# Altium PCB Luchador Pcb.PcbDoc (part 1 of 4)
Units mil, origin at the board's own origin, x right, y up, seen from the top; angles counter-clockwise.
Board outline 6102.25 x 2953 mil, 6 copper layers (Top Layer, GND PLANE 1, SL1(H), SL2(V), Power, Bottom Layer), stack 62.468 mil thick; 267 components, 233 nets, 1286 pads, 806 vias.
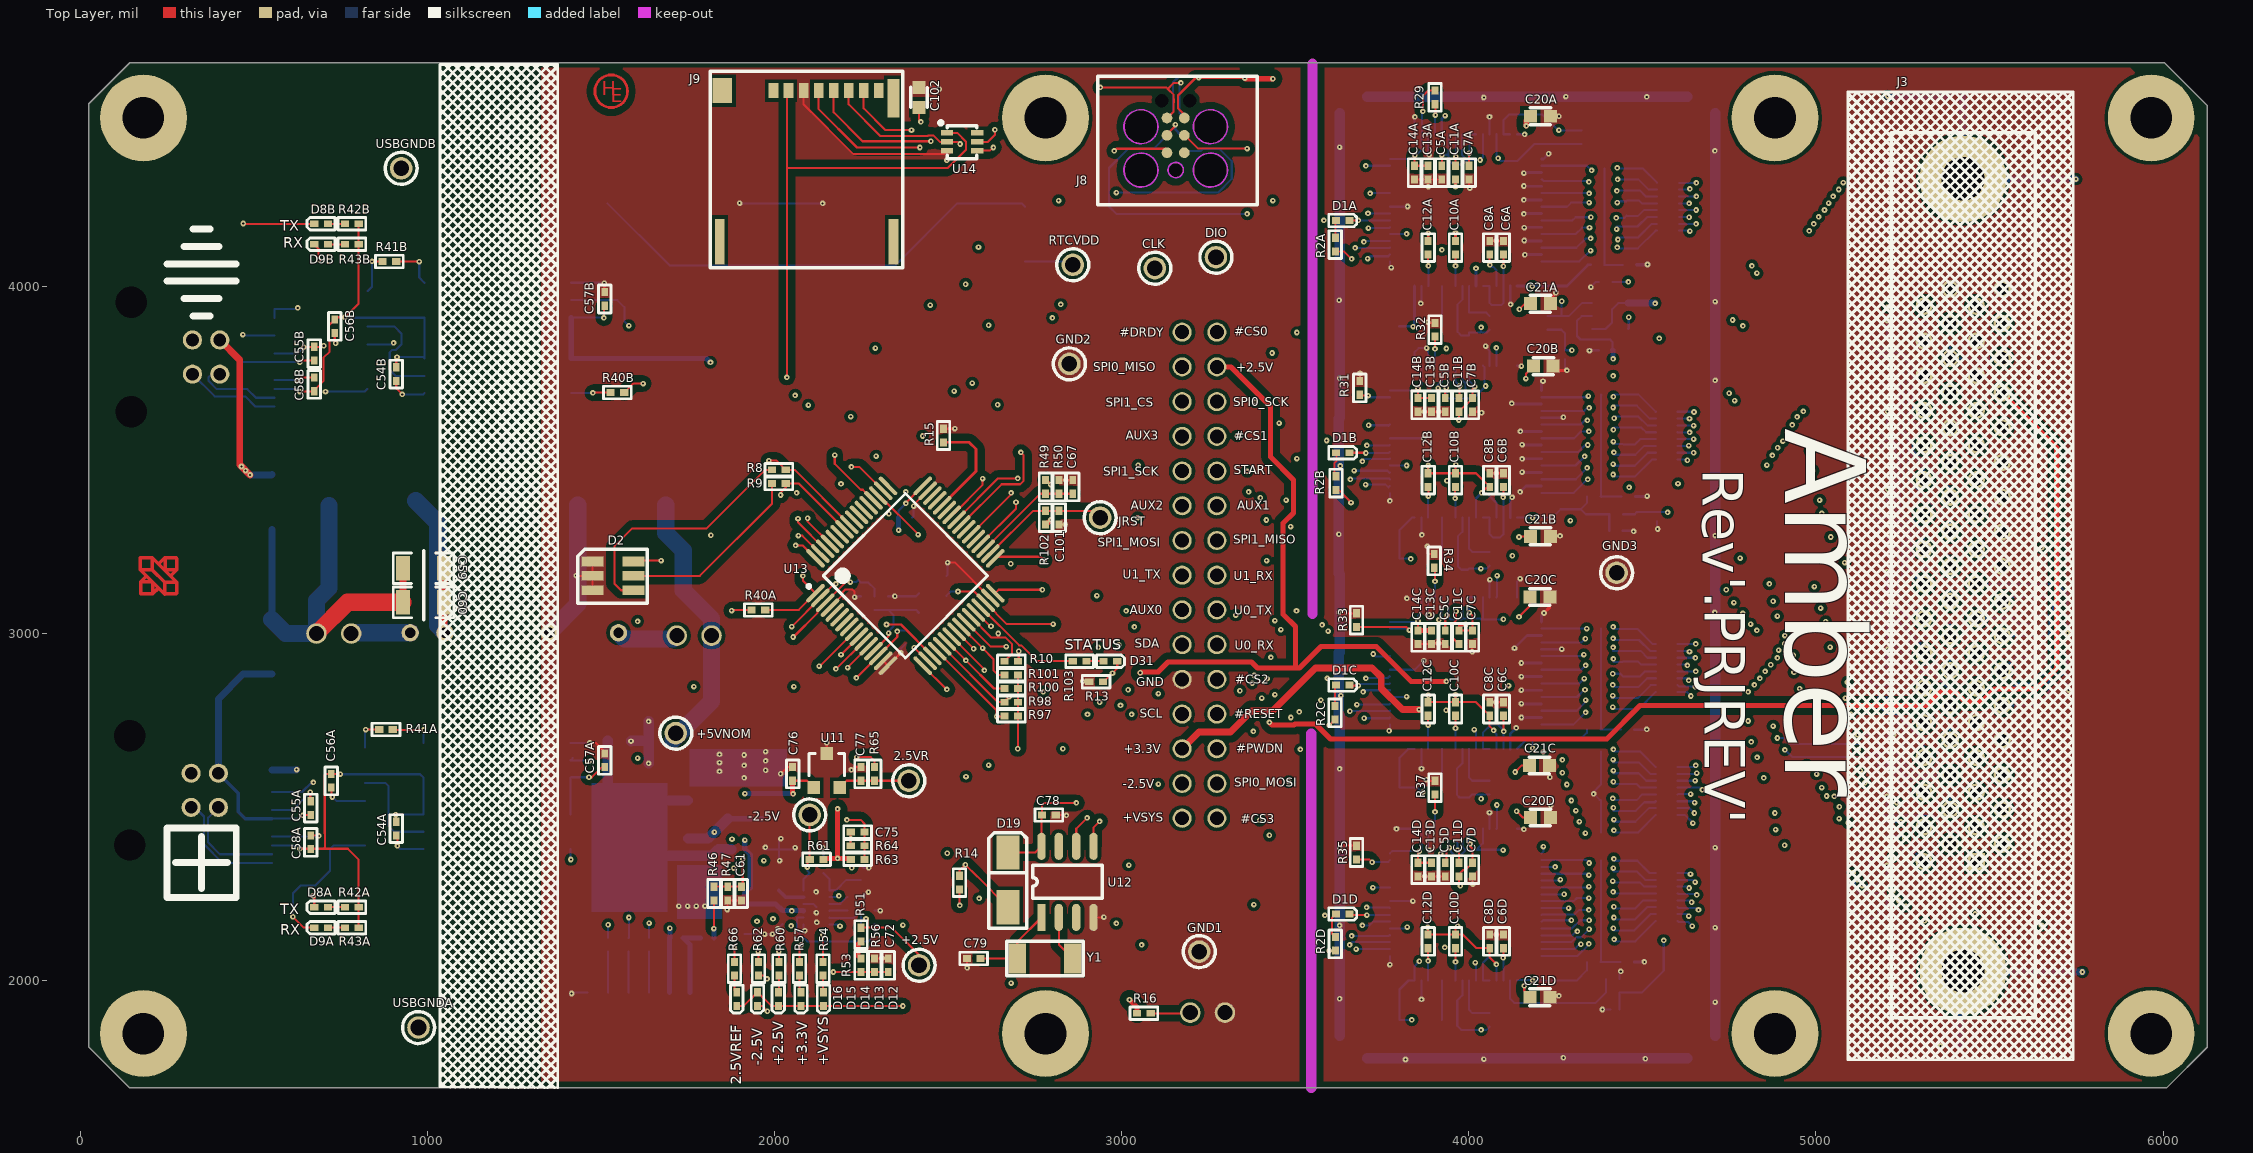
[diagram p0: Top Layer view]
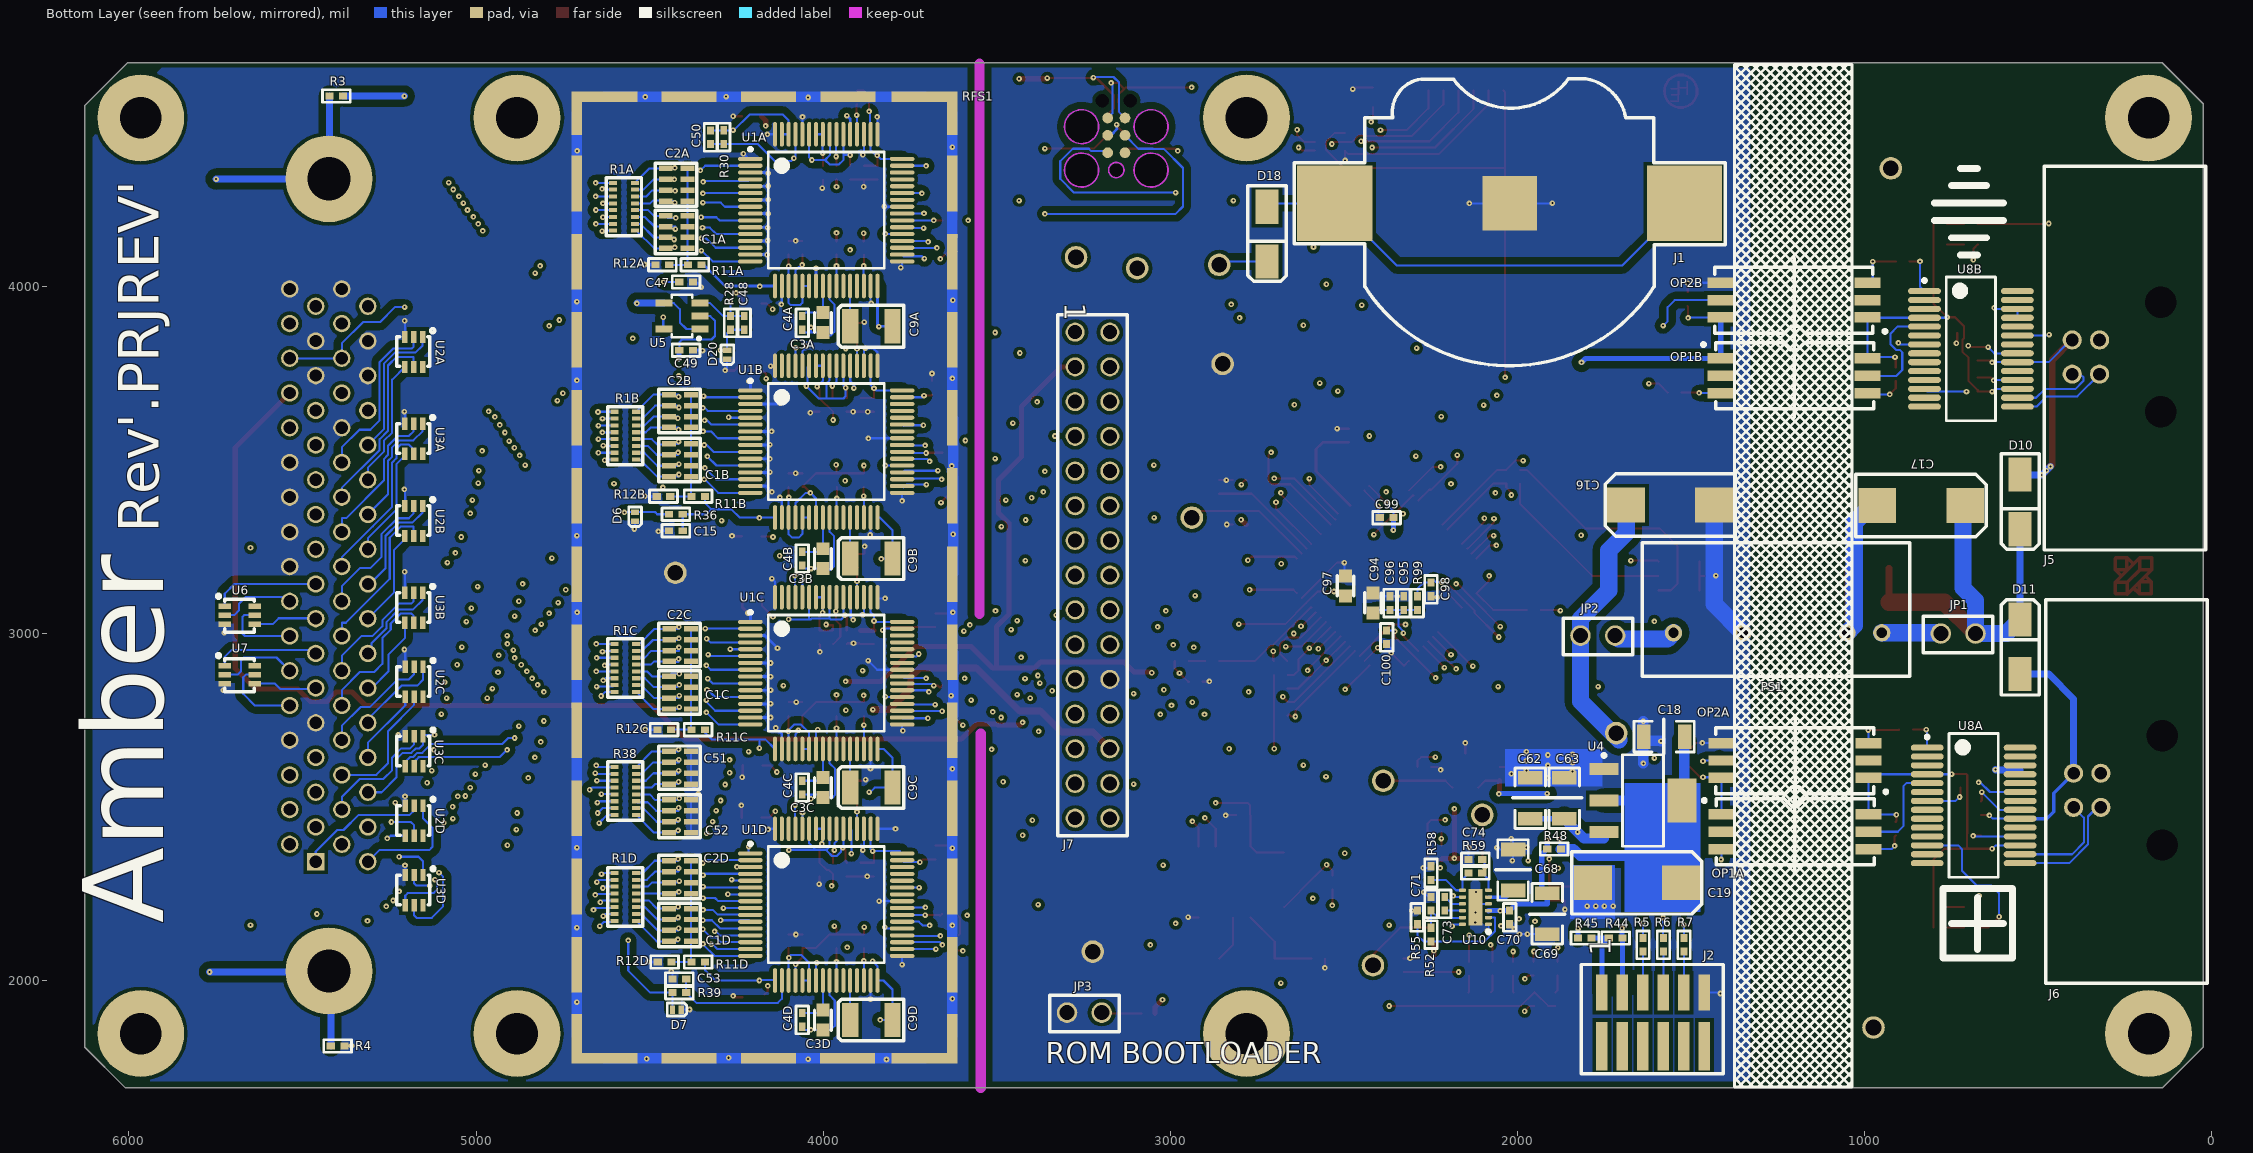
[diagram p1: Bottom Layer view, seen from below]
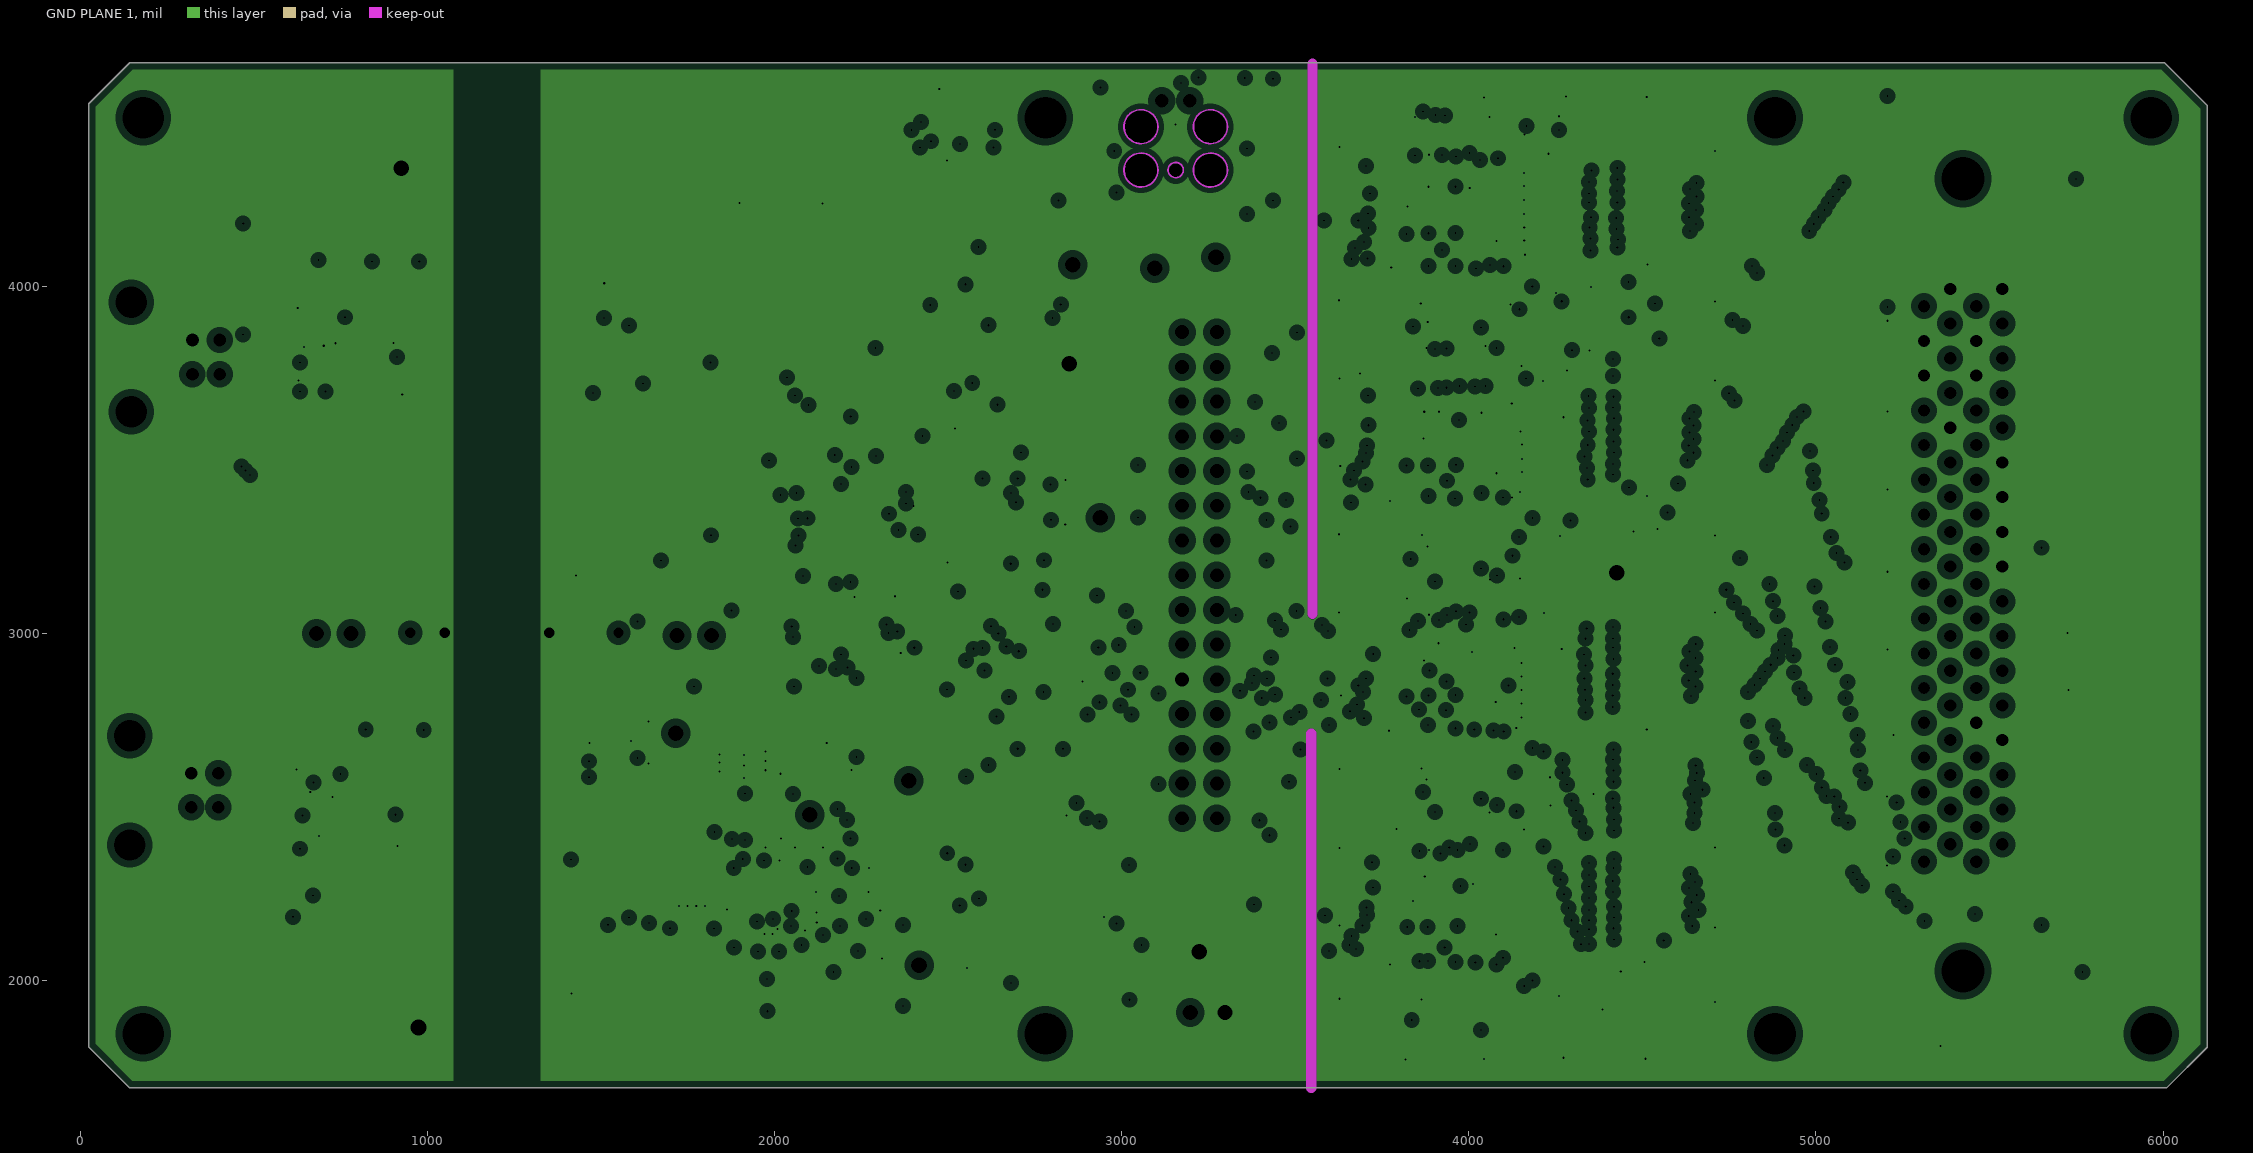
[diagram p2: GND PLANE 1, clearances drawn from the general rule]
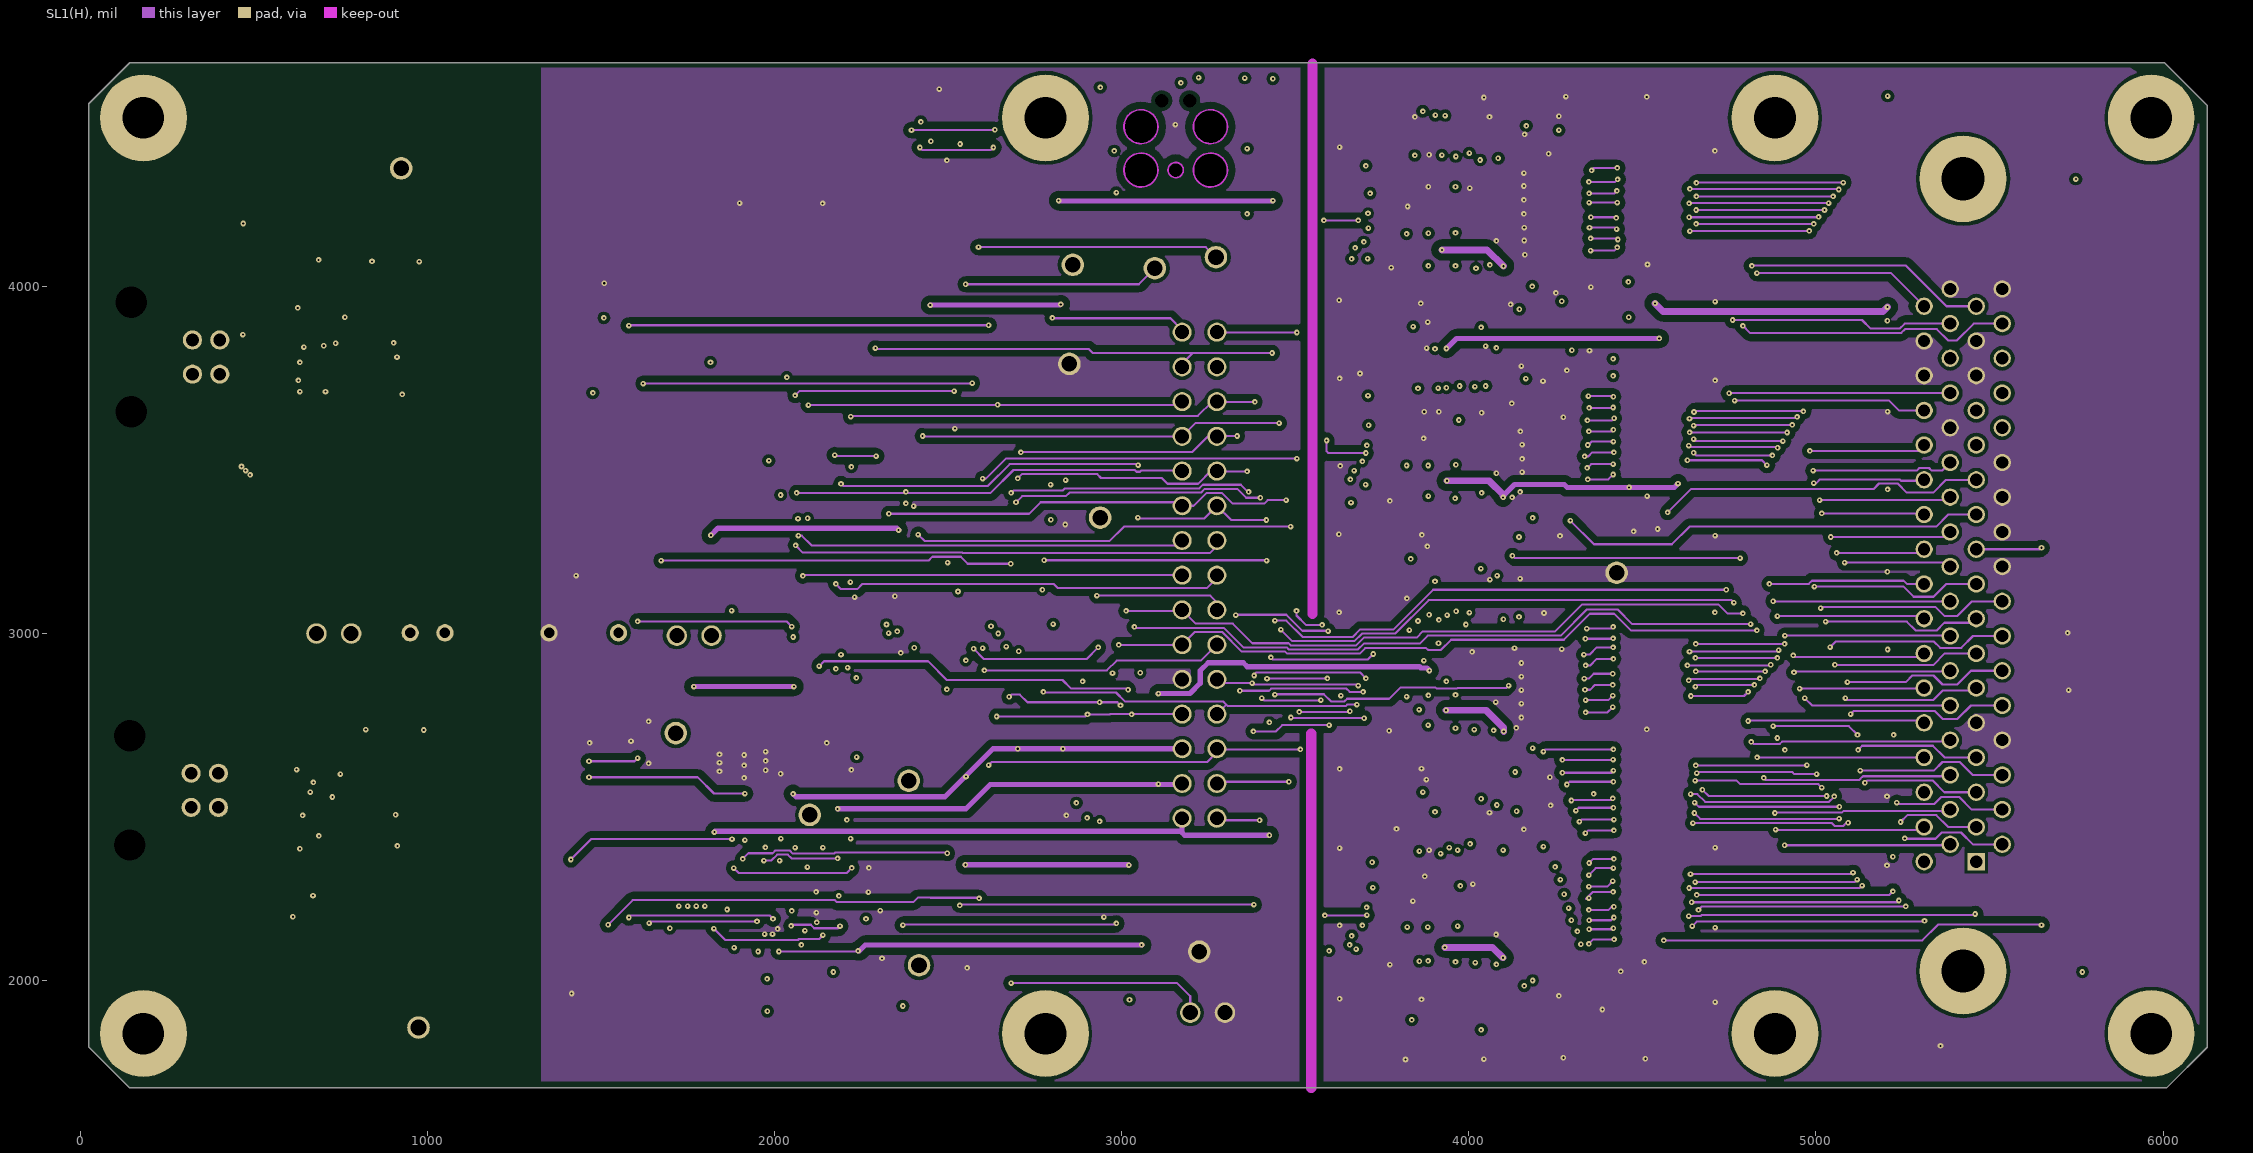
[diagram p3: SL1(H)]
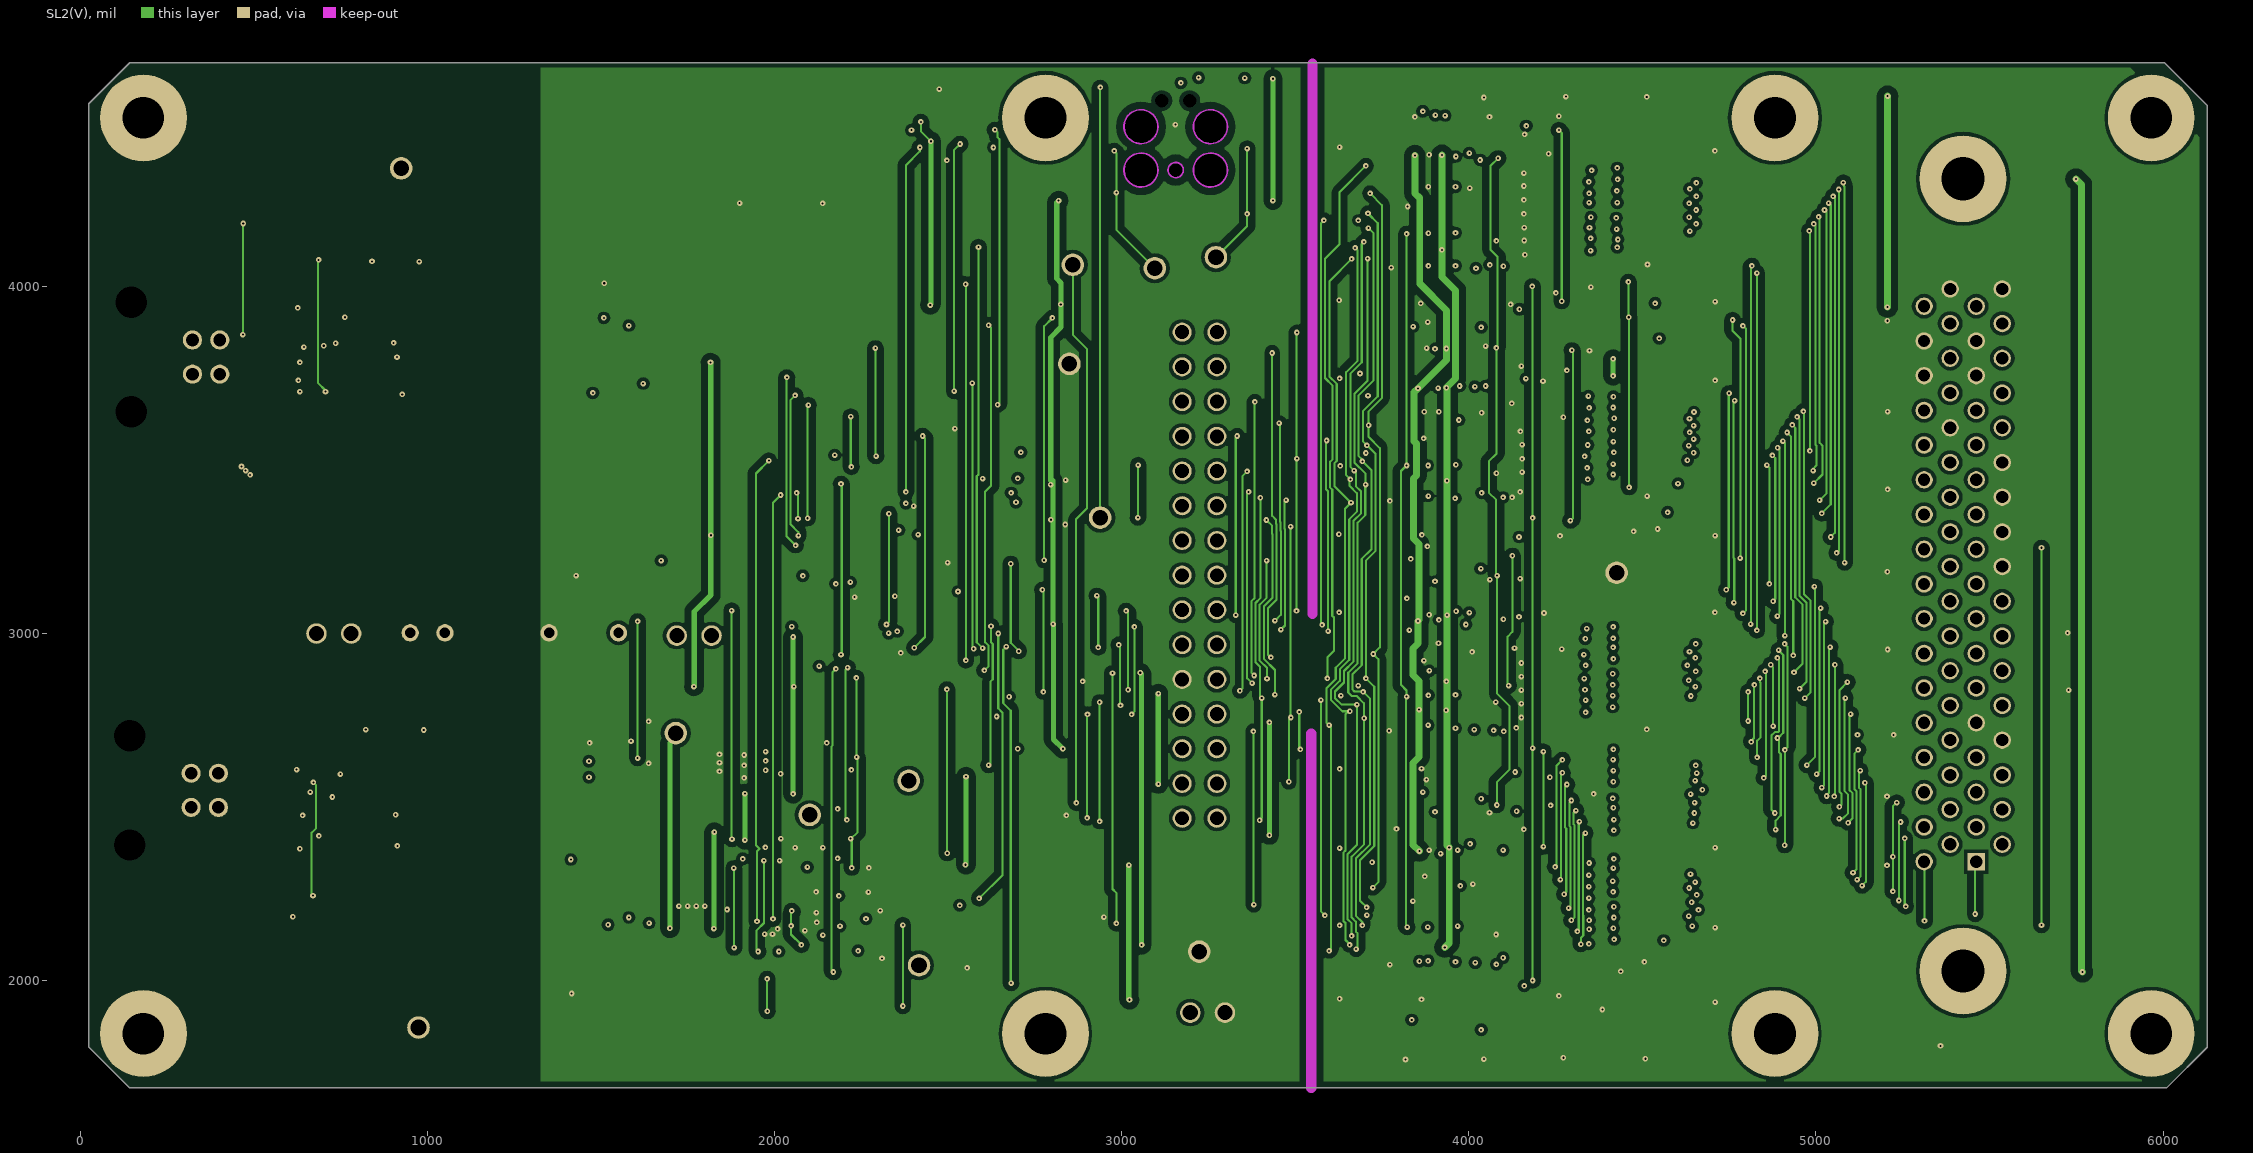
[diagram p4: SL2(V)]
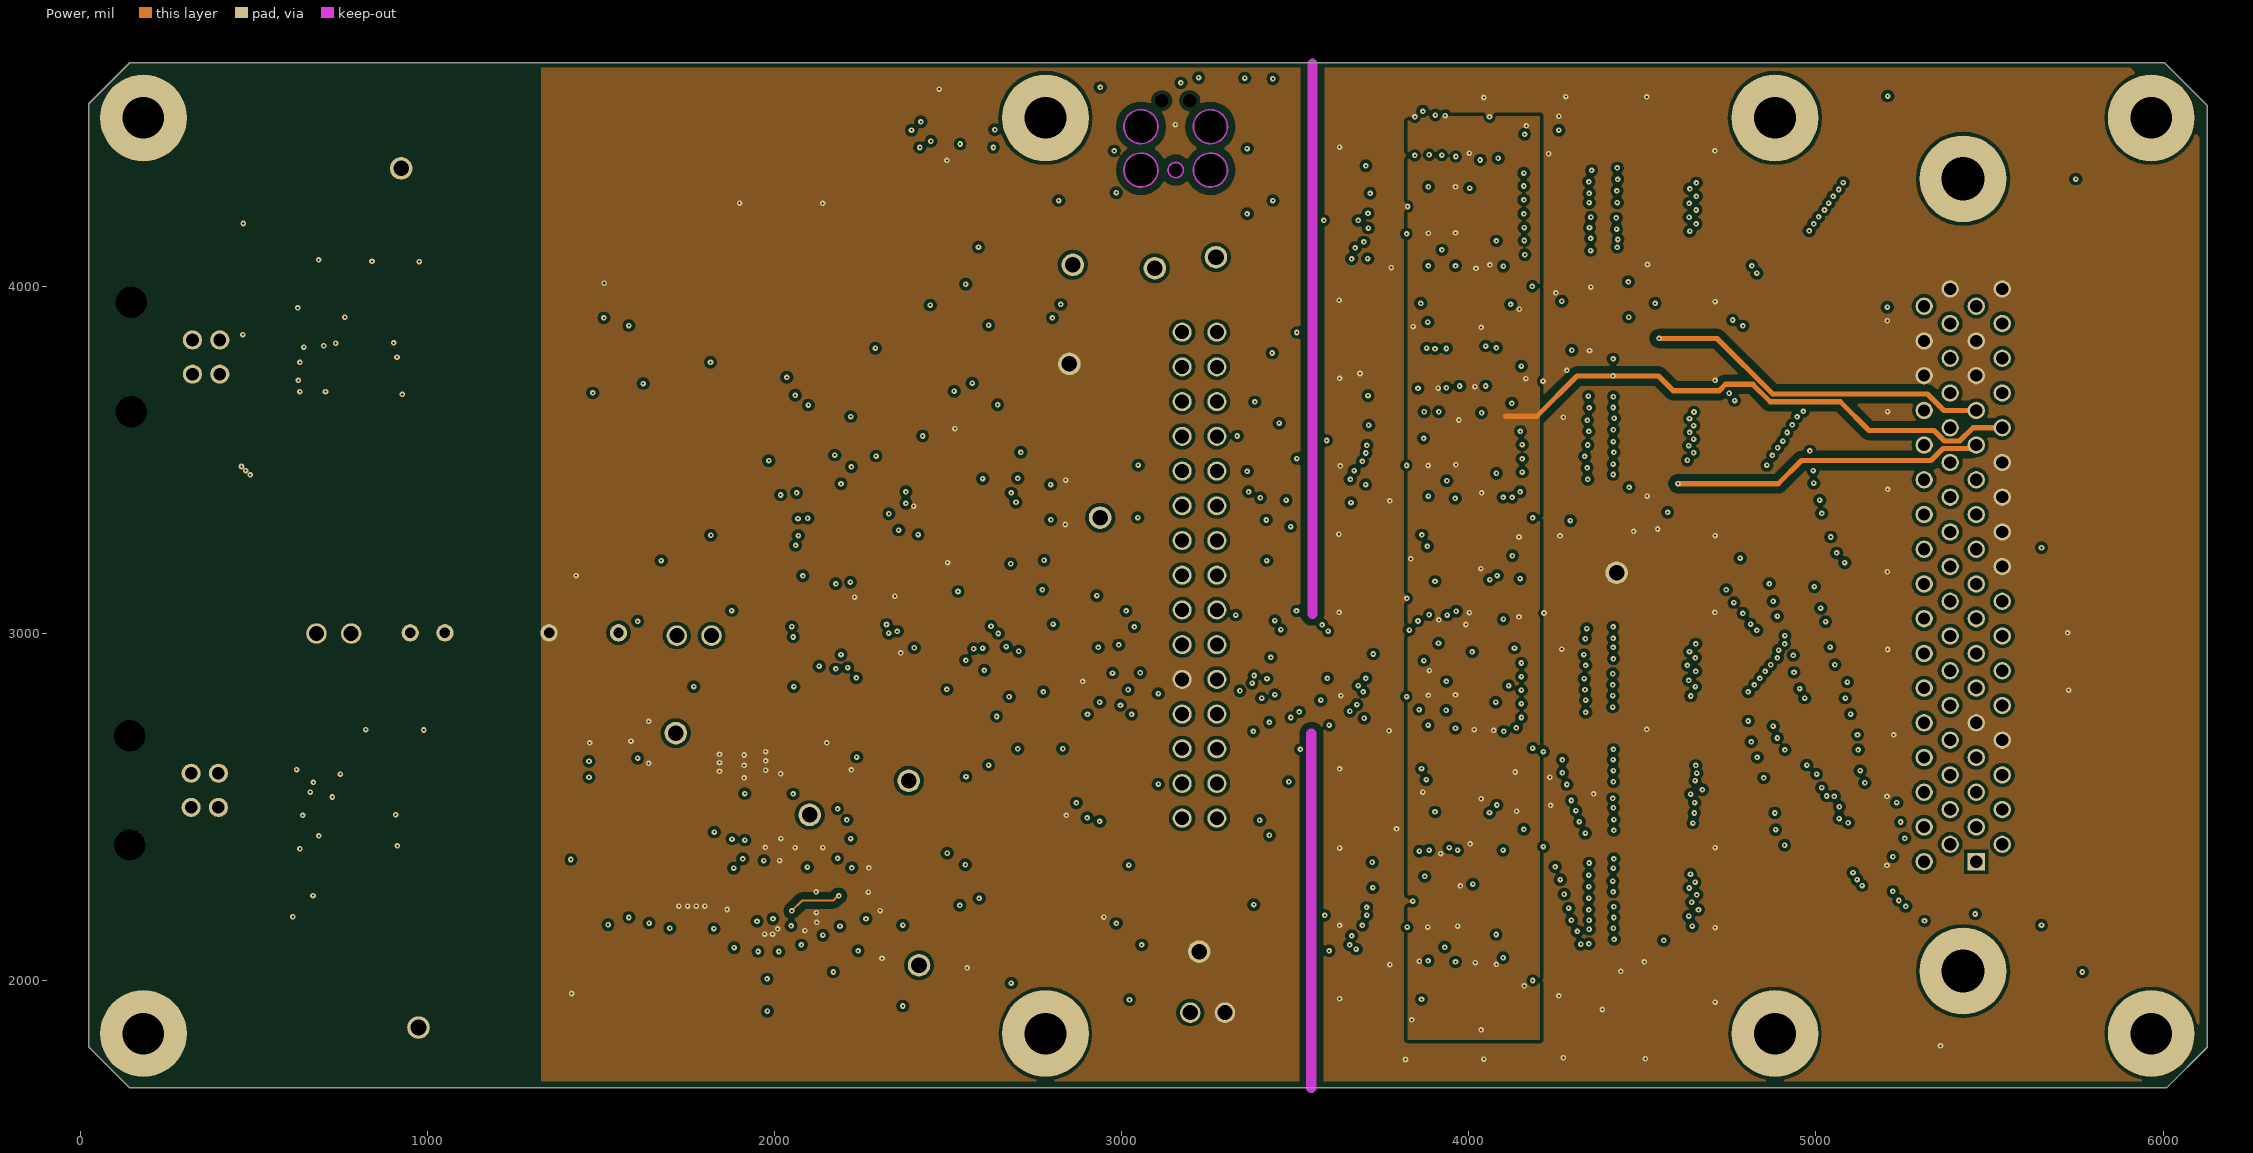
[diagram p5: Power]
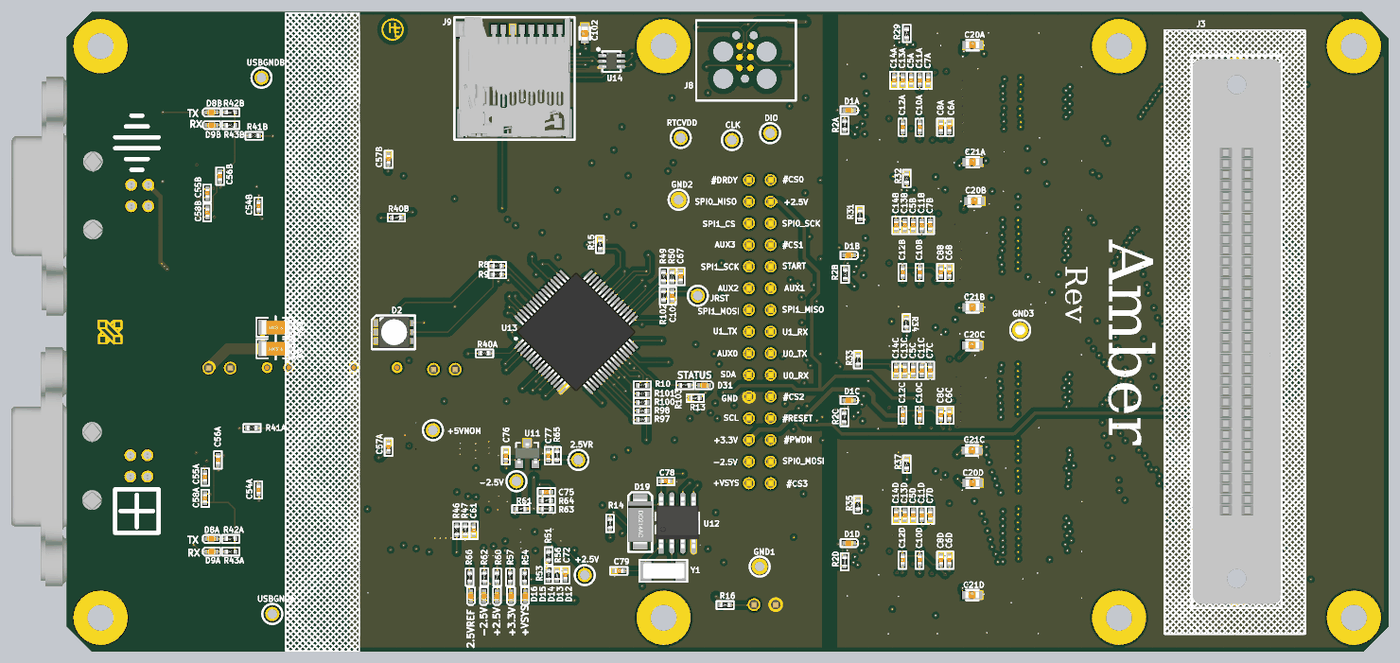
[diagram p9: 3D render of the assembled board from above, using the file's embedded part models]
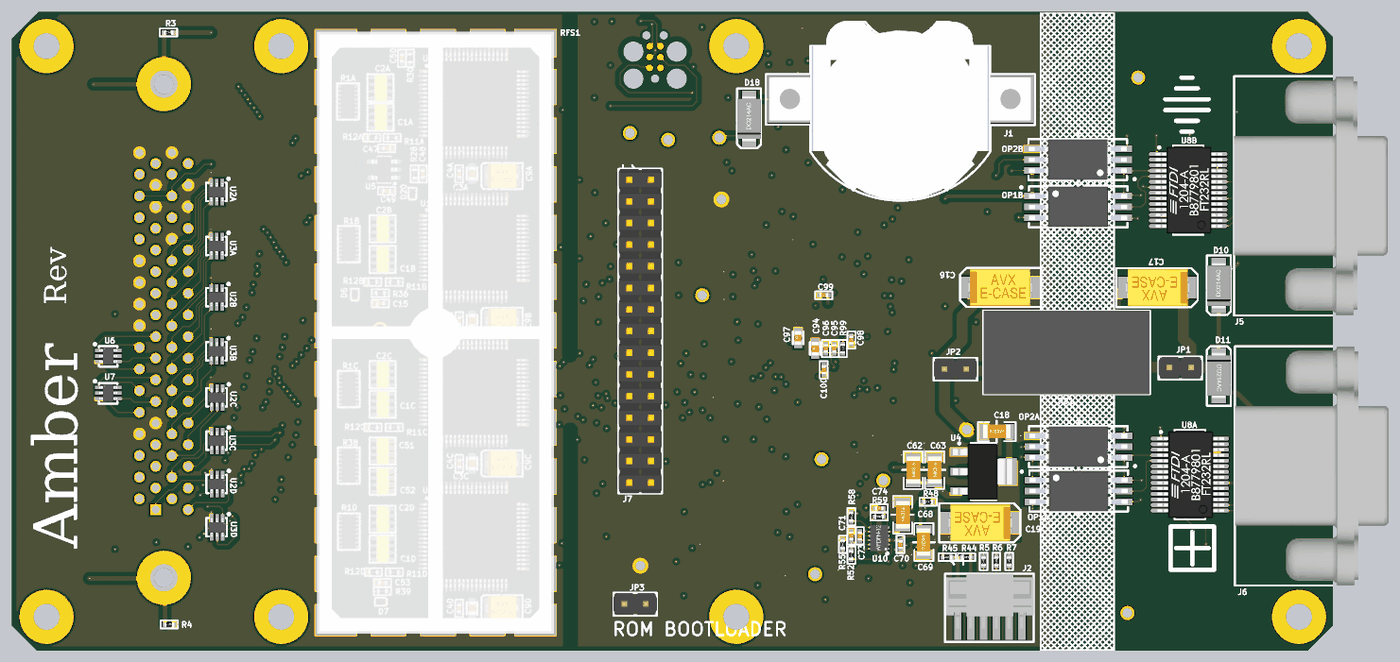
[diagram p10: 3D render of the assembled board from below, using the file's embedded part models]

## Layer stack, top to bottom
Top Solder: solder mask 0.4, Solder Resist, Dk 3.5
Top Layer: signal copper 1.4
Dielectric 1: core 12, FR-4, Dk 4.2
GND PLANE 1: plane copper 1.417, net (Multiple Nets)
Dielectric 3: prepreg 10, Dk 4.2
SL1(H): signal copper 1.417
Dielectric 4: core 10, Dk 4.2
SL2(V): signal copper 1.417
Dielectric 6: prepreg 10, Dk 4.2
Power: signal copper 1.417
Dielectric 5: core 12, Dk 4.2
Bottom Layer: signal copper 1.4
Bottom Solder: solder mask 0.4, Solder Resist, Dk 3.5

## Board outline
25.11,1809 25.11,4526 143.11,4644 6004.07,4644 6127.36,4520.71 6127.36,1808.11 6010.25,1691 143.11,1691
